# KiCad board TRX055.01.01.PB.00.00.kicad_pcb (continued)
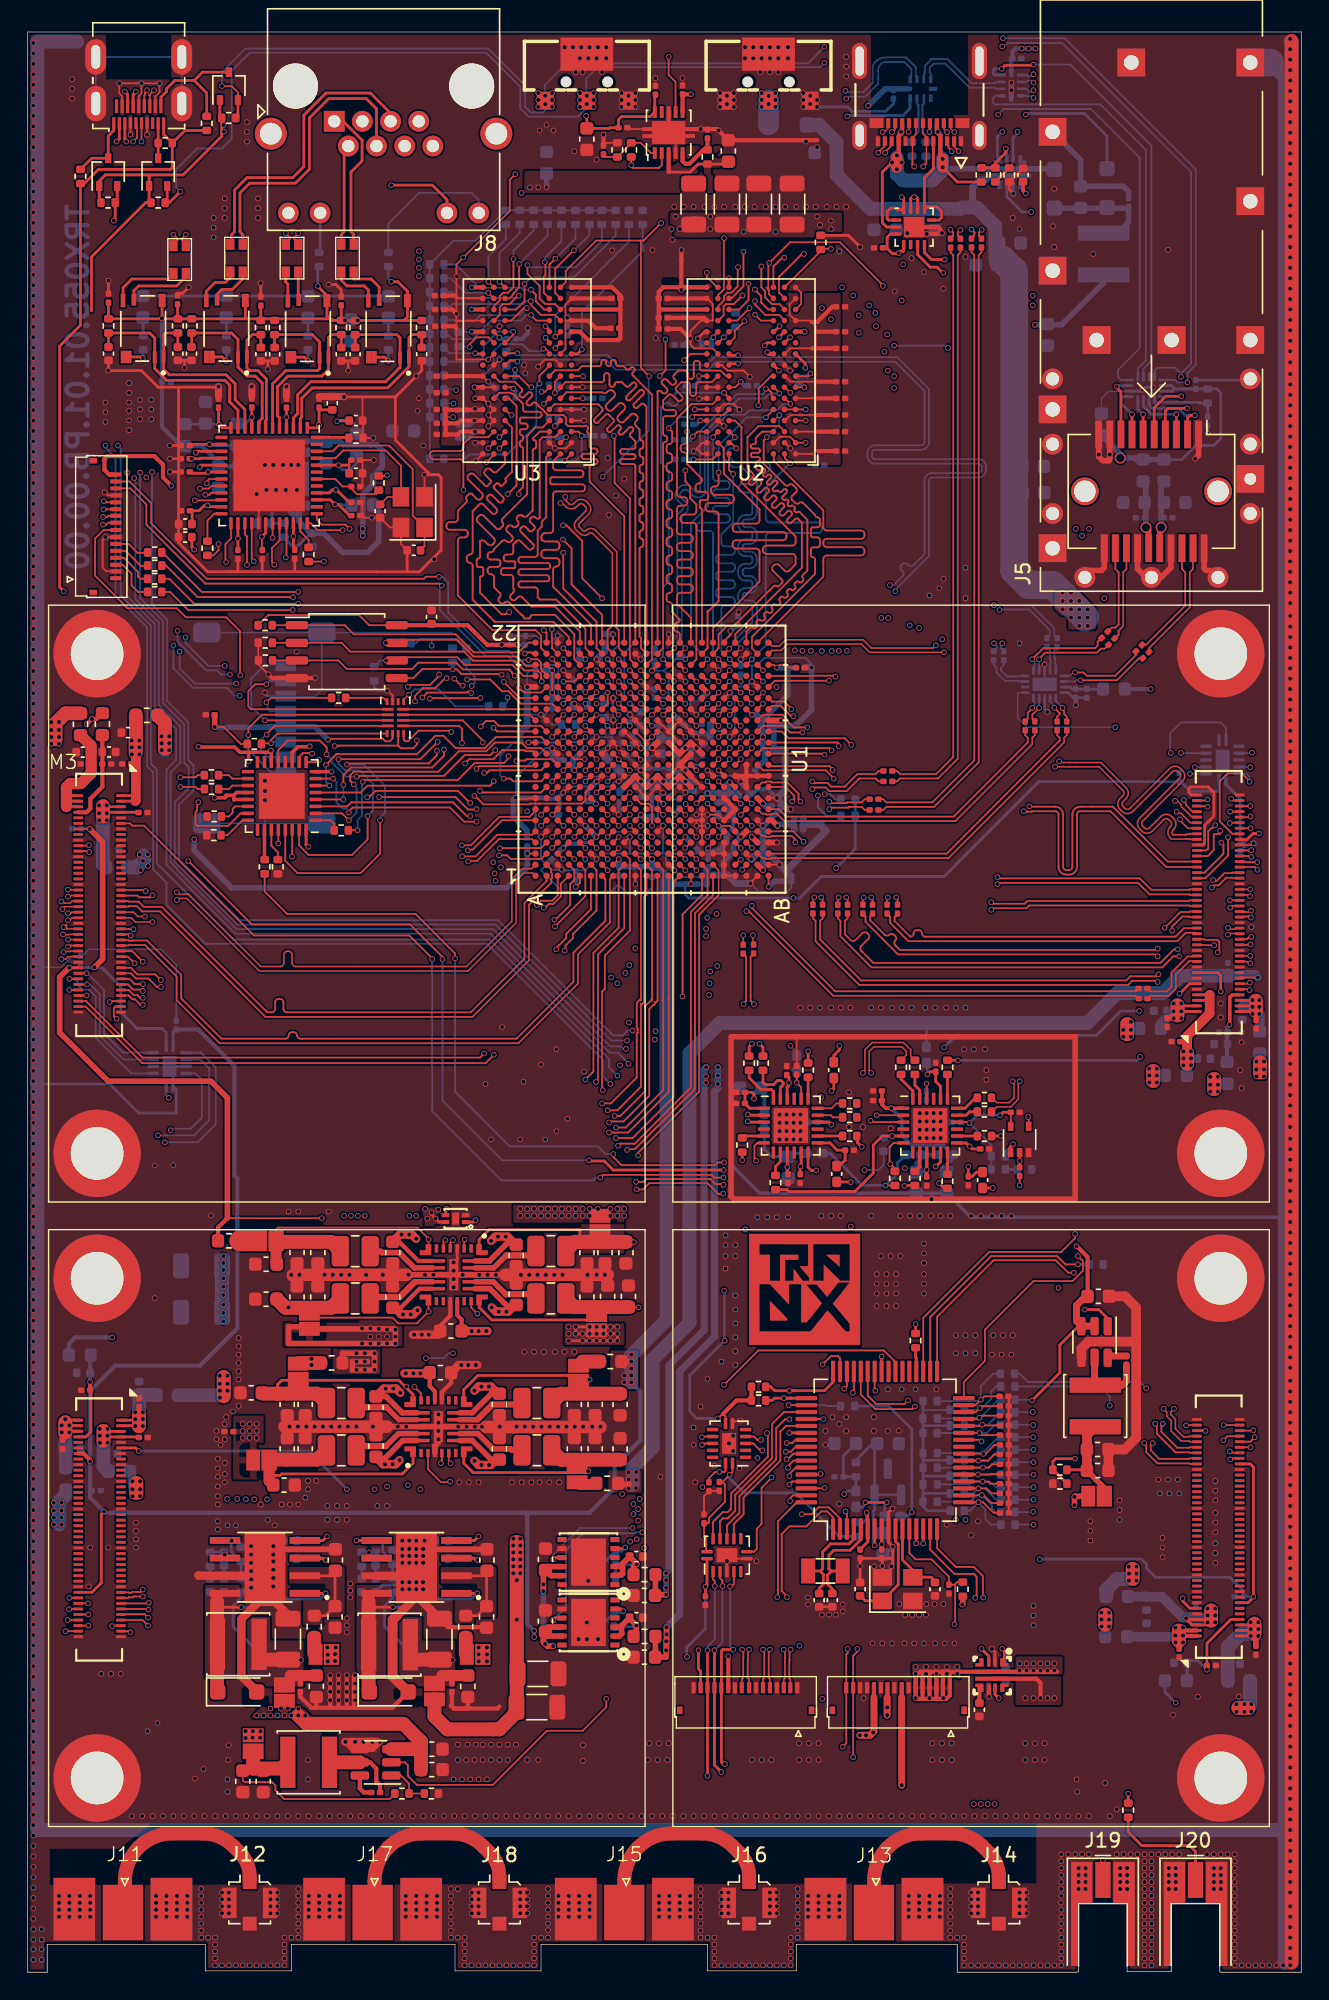
[diagram p0: board, top side]
## Nets (continued)
/ZynqPower/RAIL_6_EN: U6.2
PWR_CORE: C111.1 C155.1 C156.1 C157.1 C158.1 C159.1 C160.1 C161.1 C162.1 C163.1 C391.1 C395.1 JP12.2 R127.1 U4.9 U4.13 U4.18 U4.22 U4.26 U6.9 U6.13 U6.18 U6.22 U6.26
SR_A0: C1.1 C2.1 C10.1 JP1.1 L1.2 R117.1 U4.8
SR_A1: C3.1 C4.1 C9.1 JP2.1 L2.2 R111.1 U4.14
SR_A2: C5.1 C6.1 C11.1 JP3.1 L3.2 R123.1 U4.1
SR_A3: C7.1 C8.1 C12.1 JP4.1 L4.2 R125.1 U4.21
SR_B0: C13.1 C17.1 C21.1 JP5.1 L5.2 R119.1 U6.8
SR_B1: C14.1 C18.1 C22.1 JP6.1 L6.2 R121.1 U6.14
SR_B2: C15.1 C19.1 C23.1 JP7.1 L7.2 R115.1 U6.1
SR_B3: C16.1 C20.1 C24.1 JP8.1 L8.2 R113.1 U6.21
SR_C0: C284.1 C285.1 L16.2 R131.1 U30.2 U30.3
VREF_DDR: C147.1 C327.1 C328.1 C329.1 C330.1 U2.H1 U2.M8 U3.H1 U3.M8 U15.6
Net-(C134-Pad1): C134.1 R59.2
Net-(C138-Pad1): C138.1 R62.2
Net-(C142-Pad1): C142.1 R65.2
Net-(C146-Pad1): C146.1 R68.2
Net-(C176-Pad1): C176.1 C177.1 FB17.2 R86.2
Net-(C237-Pad2): C237.2 C241.1
Net-(C240-Pad1): C240.1 FB38.1 R7.1 R162.1 U5.2 U5.3
Net-(C243-Pad1): C243.1 R4.2
Net-(C252-Pad1): C252.1 R92.2
Net-(C254-Pad2): C254.2 C255.1
Net-(C382-Pad1): C382.1 R141.2
Net-(C382-Pad2): C382.2 R164.1 R165.2 U28.2
Net-(D2-A): D2.2 D5.2 J21.2
Net-(J5-VccR): C227.1 C228.1 FB34.1 J5.15
Net-(J5-VccT): C229.1 C230.1 FB35.1 J5.16
Net-(J6-CLK): J6.5 R144.1
Net-(J6-CMD): J6.3 R154.1 U10.13
Net-(J6-DAT0): J6.7 U10.9
Net-(J6-DAT1): J6.8 U10.11
Net-(J6-DAT2): J6.1 U10.10
Net-(J6-DAT3/CD): J6.2 U10.12
Net-(J7-HPD/HEAC-): J7.1 Q3.3 R105.2
Net-(J7-SCL): J7.17 Q1.3 R101.2
Net-(J7-SDA): J7.18 Q2.3 R102.2
Net-(J8-Pad10): J8.10 R161.2
Net-(J8-Pad12): J8.12 R160.2
Net-(J10-Pin_3): J10.3 R18.2
Net-(J10-Pin_4): J10.4 R19.2
Net-(J10-Pin_5): J10.5 R20.2
Net-(J10-Pin_6): J10.6 R21.2
Net-(J11-In): J11.1 J12.1
Net-(J13-In): J13.1 J14.1
Net-(J15-In): J15.1 J16.1
Net-(J17-In): J17.1 J18.1
Net-(J19-In): J19.1 R85.2
Net-(J20-In): J20.1 R141.1
Net-(JP13-A): C282.1 C283.1 JP13.1 L15.2 R137.1
Net-(JP14-A): C313.1 C314.1 JP14.1 L18.2 R139.1
Net-(L9-Pad1): L9.1 T1.7
Net-(L9-Pad4): L9.4 T1.6
Net-(L10-Pad1): L10.1 T2.7
Net-(L10-Pad4): L10.4 T2.6
Net-(L11-Pad1): L11.1 T3.7
Net-(L11-Pad4): L11.4 T3.6
Net-(L12-Pad1): L12.1 T4.7
Net-(L12-Pad4): L12.4 T4.6
Net-(R100-Pad1): R99.2 R100.1
Net-(R163-Pad1): R163.1 U28.4
Net-(U1C-PS_DDR_VRN_502): R53.1 U1.M16
Net-(U1C-PS_DDR_VRP_502): R52.2 U1.N16
Net-(U1I-INIT_B_0): R156.1 U1.T8
Net-(U1I-PROGRAM_B_0): R155.1 U1.V10
Net-(U1J-MGTRREF_112): R152.1 U1.U7
Net-(U2-ZQ): R50.2 U2.L8
Net-(U3-ZQ): R51.2 U3.L8
Net-(U5-FB/ADJ): R7.2 R8.1 R162.2 U5.5
Net-(U7-BOOT): C253.1 U7.1
Net-(U7-COMP): C254.1 R92.1 U7.6
Net-(U7-SS): C251.1 U7.4
Net-(U8-FB/ADJ): R5.2 R6.1 U8.5
Net-(U10-CLKA): R145.1 U10.5
Net-(U10-CLKB): R144.2 U10.8
Net-(U11-GTX_CLK): R57.2 U11.24
Net-(U11-ISET): R54.2 U11.48
Net-(U11-RESET_N): C110.1 R12.2 U11.42
Net-(U11-RX_CLK/PHYAD2): R56.2 U11.35
Net-(U11-XI): C108.1 U11.46 Y1.1
Net-(U11-XO): C109.1 U11.45 Y1.3
Net-(U12-CLKOUT): R26.1 U12.1
Net-(U12-DM): R28.2 U12.19
Net-(U12-DP): R27.2 U12.18
Net-(U12-RBIAS): R29.2 U12.24
Net-(U12-VBUS): R88.2 U12.22
Net-(U13-DIFF1): R80.1 U13.18
Net-(U13-DIFF1B): R81.1 U13.17
Net-(U13-DIFF2): R78.1 U13.24
Net-(U13-DIFF2B): R79.1 U13.23
Net-(U13-REF): R85.1 U13.8
Net-(U13-SE1): R84.1 U13.14
Net-(U13-SE2): R83.1 U13.12
Net-(U13-SE3): R82.1 U13.19
Net-(U13-VDD33): C169.1 C170.1 FB14.2 FB15.1 U13.9
Net-(U13-VDDA): C171.1 C172.1 C173.1 FB15.2 U13.1
Net-(U15-REFIN): C151.1 R71.2 R72.1 U15.1
Net-(U15-VOSNS): C152.1 R73.1 U15.5
Net-(U16-CLKINB/X1): R90.1 U16.5
Net-(U16-DIFF1): R24.1 U16.18
Net-(U16-DIFF1B): R25.1 U16.17
Net-(U16-DIFF2): R22.1 U16.24
Net-(U16-DIFF2B): R23.1 U16.23
Net-(U16-REF): R77.1 U16.8
Net-(U16-SE1): R76.1 U16.14
Net-(U16-SE2): R75.1 U16.12
Net-(U16-SE3): R74.1 U16.19
Net-(U16-VDD33): C164.1 C166.1 FB12.1 FB13.2 U16.9
Net-(U16-VDDA): C165.1 C167.1 C168.1 FB12.2 U16.1
Net-(U17-PA8): R87.1 U17.36
Net-(U17-PC14): C183.1 U17.4 Y3.1
Net-(U17-PC15): C182.1 U17.5 Y3.2
Net-(U17-PF0): C180.1 U17.10 Y2.1
Net-(U17-PF1): C181.1 U17.11 Y2.3
Net-(U17-VBAT): C179.1 R143.2 U17.6
Net-(U17-VDD): C174.1 C175.1 FB16.2 FB17.1 U17.8
Net-(U20-D+): R17.2 U20.8
Net-(U20-D_): R14.2 U20.7
Net-(U21-BST): C312.1 U21.6
Net-(U21-FB): R139.2 R140.1 U21.1
Net-(U21-SW): C312.2 L18.1 U21.5
Net-(U22-RESET#): C274.1 R95.2 U22.1
Net-(U26-VDD): C271.1 C272.1 FB40.1 U26.17
Net-(U27-DVDT): C279.1 U27.7
Net-(U29-DVDT): C280.1 U29.7
Net-(U30-BST): C281.1 U30.6
Net-(U30-FB): R137.2 R138.1 U30.1
Net-(U30-SW): C281.2 L15.1 U30.5
Net-(U31-FB/ADJ): R107.2 R108.1 U31.5
Net-(U34-BOOT): C235.1 U34.1
Net-(U34-COMP): C237.1 R4.1 U34.6
Net-(U34-SS): C242.1 U34.4

Pads without a net: J7 2 15; J8 SH; J9 A8 B8; J10 1 MP; J23 MP; J24 MP; M1 16; M2 16; M3 16; M4 16; U1 A9 A10 B8 B16 B17 C8 C19 D8 D16 E7 E8 E12 E17 F7 F11 G14 G17 H8 J5 J8 K7 L6 L7 L12 M3 M4 M6 M7 M11 N8 N11 N12 P5 P8 R8 R17 T10 T11 T14 T15 T17 U11 U13 U14 U17 U18 V7 V13 V18 W3 W18 Y14 Y15 Y18 Y19; U2 J1 J9 L1 L9 M7; U3 J1 J9 L1 L9 M7; U4 16 19; U5 1 4 6 7 12; U6 16 19; U8 1 4 6 7 12; U10 6; U11 13 38 41 43 47; U12 12 15 16 17 25; U13 4 7 10 15 21; U15 9; U16 4 7 10 15 21; U17 37 38 40 57; U19 6 9 11; U22 11 16; U23 6 9 11; U25 5; U27 4 10; U29 4 10; U31 1 4 6 7 12; U32 6 9; U33 2 3 6 9 12 13

## Via types
v1: diameter 0.4, hole 0.3, Top to Bottom, 3369 vias
v2: diameter 0.8, hole 0.6, Top to Bottom, 3 vias

## Routing (per net, layer and track width the routed paths; a pad name or vN(x,y) marks a point on that pad's centre or on a via; arc(x,y) is an arc through that point)
+1V2: length 5.9
  Top w0.4: 42.81,24.97 C244.1 43.39,25.48 v1(43.87,25) 43.87,24.4 FB37.1 ; 42.81,24.97 42.69,24.85 42.27,24.85 ; 42.81,24.97 42.81,24.41 42.82,24.4 42.62,24.2 42.27,24.2
  Bottom w0.2: v1(43.87,25) 43.77,24.9 R5.1
+1V8: length 443.3
  Top w0.127: U1.K14 U1.L13 v1(45,89) U1.M14 ; 26.7,88.38 22.42,88.38 22.39,88.35 v1(22.12,88.35) ; 26.7,88.38 26.89,88.19 27.79,88.19 28.05,88.45 v1(28.05,88.75) ; 26.7,88.38 U10.15 ; R12.1 25.86,107.81 v1(25.9,107.85) ; U1.P14 v1(47.4,89) ; U12.30 19.06,81.09 19.06,81.09 v1(19.06,80.38) ; U1.A13 v1(36.1,88.6) ; v1(34.3,86) 34.8,86 34.99,85.81 37.01,85.81 U1.B10 ; U1.C17 v1(37.8,92.2) v1(37.8,93.8) U1.B20 ; R151.2 17.34,97.79 23.88,97.79 24.61,97.06 U14.8 ; v1(49.75,39.9) 50,40.15 50.2,40.15 50.3,40.05 U33.8 ; C293.1 49.1,35.6 49.55,36.05 50.2,36.05 50.3,36.15 U33.14 ; U1.D14 v1(38.6,89) ; U12.28 v1(18.06,81.33) ; U1.E11 v1(39.4,86.6)
  Top w0.2: v1(42.5,46.5) v1(39.5,46.5) v1(39.5,46) v1(42.5,46) v1(42.5,45.5) v1(39,45.5) ; U1.R11 v1(48.2,86.6) ; v1(12,102.5) 12,102.51 11.83,102.68 C127.1 ; FB43.2 59.31,56.94 59.32,56.94 ; v1(11.83,109.05) 12.4,109.05 12.44,109.09 U11.16 ; 20.15,81.16 20.06,81.25 U12.32 ; U11.34 v1(19.15,103.45) 19.15,102.75 19.25,102.65 ; 50.2,45.5 50.21,45.49 ; U24.1 32.16,54.05 ; 23.17,105.9 22.27,106.8 v1(22.2,106.8) 21.95,106.8 21.74,106.59 U11.40
  Top w0.25: v1(15.92,87.27) 15.92,87.88 15.94,87.9 ; v1(12.3,88.3) 12.33,88.28 14.91,88.28 15.29,87.9 17.4,87.9 v1(17.53,88.03) 17.56,87.99 U12.14 ; U12.8 21.72,86.5 ; U12.11 19.06,87.89 19.47,88.3 20.28,88.3
  Top w0.3: 50.13,40.24 51.09,41.2 R157.1 R158.1 ; 10.35,107.11 10.34,107.11 9.75,107.7 9.75,108.62 9.13,109.24 5.73,109.24 5.53,109.04 5.53,108.24 5.86,107.91 J10.16 ; 35.35,95.64 33.12,95.64 31.7,97.06 26.65,97.06
  Top w0.4: U8.11 37.47,24.22 37.17,24.53 37.52,24.88 U8.10 ; 38.51,29.22 37.47,29.22 37.27,29.03 37.72,28.57 U5.11 ; v1(37.17,27.45) 37.17,28.82 C248.1 ; C247.1 37.17,24.38 37.17,23.78 37.45,23.5 v1(37.88,23.5)
  In2.Cu w0.127: v1(40.2,88.2) 40.6,88.6 40.6,90.96 40.79,91.15 40.79,91.19 v1(41,91.4)
  In2.Cu w0.2: v1(59.33,56.93) 59.37,56.97 61.48,56.97 62.44,57.93 v1(63.23,57.93)
  In2.Cu w0.3: v1(37.8,93.8) 35.95,95.65 v1(35.32,95.65)
  In2.Cu w0.4: 37.17,23.83 37.5,23.5 v1(37.88,23.5) ; v1(37.17,27.95) v1(37.17,27.45)
  In2.Cu w0.7: v1(22.8,54.5) v1(28,54.5)
  In3.Cu w0.2: v1(50.24,45.51) 50.23,45.5 v1(42.5,45.5)
  In3.Cu w0.3: v1(59.33,53.73) 54.83,53.73 v1(50.2,49.1)
  In3.Cu w0.4: v1(37.17,27.45) 37.17,29.87 42.5,35.2 v1(42.5,45.5)
  In4.Cu w0.127: 44.2,89 44.04,89.16 41.78,89.16 41.58,89.36 41.16,89.36 41.15,89.36 40.85,89.36 40.84,89.36 40.36,89.36 40.35,89.36 40.05,89.36 40.04,89.36 39.56,89.36 39.55,89.36 39.25,89.36 39.24,89.36 38.76,89.36 38.75,89.36 38.45,89.36 38.44,89.36 37.96,89.36 37.95,89.36 37.65,89.36 37.64,89.36 37.25,89.36 36.88,88.99 34.33,88.99 34.02,89.3 32.2,89.3 31.77,89.73 29.01,89.73 27.88,88.6 27.88,77.01 ; 40.5,91.76 38.24,91.76 v1(37.8,92.2) ; 40.5,91.76 40.64,91.76 v1(41,91.4) ; 40.5,91.76 40.61,91.76 ; 49.75,39.85 50.15,39.45 50.15,36.35 v1(49.85,36.05) ; v1(12.3,88.3) 12.3,102.2 12.2,102.3 ; v1(22.2,106.8) 22.2,107.28 22.78,107.85 v1(25.9,107.85) ; v1(18.06,81.33) 18.06,80.8 18.47,80.39 19.05,80.39 v1(19.06,80.38)
  In4.Cu w0.18: 48.6,87 49.44,87
  In4.Cu w0.2: v1(39,46.5) 39,52.5 38.1,53.4 28.8,53.4 27.5,54.7 27.5,57 ; v1(47.4,89) 47.8,89.4 48.45,89.4 48.65,89.2 48.65,87.05 v1(48.2,86.6) 48.6,87 ; v1(42.5,46.5) 42.5,53 41.5,54 30,54 ; v1(59.33,53.73) v1(59.33,56.93) ; 63.19,57.97 63.19,66.01 59.75,69.45 59.75,78.07 v1(58.27,79.55) ; v1(20.23,81.09) 19.03,81.09 19.03,81.08 ; 39.5,86.7 v1(39.4,86.6)
  In4.Cu w0.25: v1(17.53,88.03) 18.88,88.03 19.03,88.17 ; 19.03,86.45 19.08,86.5 v1(21.9,86.5) ; v1(22.12,88.35) 20.35,88.35 20.33,88.38 v1(20.33,88.33) 19.58,88.33 19.38,88.53
  In4.Cu w0.3: v1(11.83,109.05) 11.44,109.05 ; 11.1,107.08 11.08,107.1 v1(10.34,107.1)
  In4.Cu w0.5: 11.44,109.05 11.1,108.71 11.1,103.4 12.2,102.3 17.58,102.3 18.73,103.45 v1(19.15,103.45) 21.45,103.45 22.9,104.9 22.9,106.55 22.65,106.8 v1(22.2,106.8) ; 41.7,88.88 46.47,88.88 46.6,89 v1(47.4,89)
  In4.Cu w0.7: v1(24.3,54.5) 23,54.5 22.4,55.1 22.4,75.7 19.03,79.08 19.03,88.17 20.8,89.95 25.1,89.95 26.6,91.45 26.6,93.35 28.89,95.64 v1(34.17,95.64)
  In4.Cu w1: 27.5,77.31 27.5,57
  Bottom w0.1: FB6.1 42.08,86.15 39.85,86.15 v1(39.4,86.6)
  Bottom w0.127: 29.12,96.05 28.28,96.05 27.99,95.76 R146.2 ; 29.12,96.05 30.98,96.05 R153.2 ; 29.12,96.05 29.12,95.52 29.13,95.51 ; R69.1 41.59,91.4 v1(41,91.4) ; v1(40.2,88.2) 39.76,88.64 38.96,88.64 v1(38.6,89) 38.2,88.6 v1(36.1,88.6) 35,88.6 34.06,87.66 34.06,86.24 v1(34.3,86)
  Bottom w0.2: R155.2 R156.2 59.64,80.92 v1(58.27,79.55) ; v1(49.75,39.9) 48.23,39.9 47.72,40.41 47.72,43.01 50.22,45.51 50.22,49.07
  Bottom w0.3: v1(34.17,95.64) 34.18,95.65 v1(35.32,95.65) 35.87,95.65 C59.1
  Bottom w0.4: v1(37.17,27.95) 37.17,23.78 ; 37.17,23.78 37.45,23.5 v1(37.88,23.5) ; 37.17,23.78 v1(37.3,23.65) ; v1(40.2,88.2) 39.32,87.32 C58.1 39.3,86.7 v1(39.4,86.6) ; C26.1 37.8,93.8 v1(37.8,93.8) 37.78,93.82 C27.1
  vias: v1(23.3,54.5) v1(23.8,54.5) v1(27.5,54.5) v1(29.12,95.58) v1(32.28,54.19) v1(39,46) v1(40,46) v1(40,45.5) v1(40.5,46.5) v1(40.5,46) v1(40.5,45.5) v1(41,46.5) v1(41,46) v1(41,45.5) v1(41.5,46.5) v1(41.5,46) v1(41.5,45.5) v1(42,46.5) v1(42,46) v1(42,45.5)
+3V3: length 403.4
  Top w0.127: U12.23 15.35,83.5 14.45,82.6 12.2,82.6 12.1,82.7 12.1,83.6 12.2,83.7 12.2,84.2 v1(12.3,84.3) ; R154.2 15.35,88.5 14.12,89.72 v1(13.47,89.72) ; U10.14 26.3,88.9 26.09,88.69 25.79,88.69 25.61,88.87 21.64,88.87
  Top w0.2: R106.1 5.15,127.63 Q3.1 5.15,129.05 5.6,129.5 8.8,129.5 ; C278.2 45.2,135.23 U15.10 44.88,133.7 42.8,133.7 42.58,133.48 C153.1 41.97,132.9 41.92,132.85 C154.1 40.3,133.7 v1(40.25,133.75) ; U25.4 63.14,124.01 62.91,124.01 62.74,123.84 62.31,123.84 61.95,124.2 61.95,125 62.19,125.24 U25.3 ; Q2.1 13.85,133.73 R104.1 13.98,132.28 11.2,129.5 8.8,129.5 ; 8.8,129.5 8.75,129.45 Q1.1 8.75,127.64 R103.1 8.5,127.5 4.6,123.6 4.6,119.7 ; FB42.2 58.1,66.05 58.5,66.45 v1(58.5,66.75)
  Top w0.25: v1(13.47,84.62) 14.22,84.62 14.4,84.8 ; U12.20 15.05,85 14.85,84.8 ; U12.21 14.88,84.5 14.85,84.47 14.85,84.8 ; 14.85,84.8 14.4,84.8 ; 14.4,84.8 14.25,84.8
  Top w0.4: v1(13.47,89.72) 13.47,90.58
  In2.Cu w0.2: v1(66.05,66.64) 65.89,66.8 58.55,66.8 v1(58.5,66.75)
  In2.Cu w0.4: v1(71.65,138.6) 75.2,138.6 79.75,134.05 79.75,113.55 78.75,112.55 v2(78.75,109.1) 79.2,108.65 79.2,95.65 80.95,93.9 v1(80.95,92.45)
  In4.Cu w0.2: 62.77,123.86 62.15,124.48 62.15,127 58.45,130.7 58.45,134.3
  In4.Cu w0.3: v1(80.95,92.45) 80.95,74.6 80.57,74.22 80.57,69.72 80.11,69.26
  In4.Cu w0.4: 72.55,138.6 v1(71.65,138.6) 71.65,137.85 69.7,135.9 69.05,135.9 67.45,134.3 58.22,134.3 57.67,133.75 35.75,133.75 35.5,134 32.98,134 32.75,133.77
  In4.Cu w0.8: 31.8,133.5 32.07,133.77 32.75,133.77 ; 31.8,133.5 31.8,130.3 ; 31.8,133.5 30.78,133.5 26.15,138.13 18.34,138.13 14.46,134.25 14.46,132.61
  In4.Cu w1: 16.12,38.62 16.12,65.97 13.9,68.2 13.9,78 12.8,79.1 12.8,84.2 13.2,84.6 13.2,95.4 18.22,100.42 21.32,100.42 24,103.1 24,105.2 25.2,106.4 26.4,106.4 27.1,107.1 27.1,127.4 29.1,129.4 30.9,129.4 31.8,130.3
  Bottom w0.2: 66.04,66.62 66.92,67.5 77.02,67.5 78.78,69.26 v1(80.12,69.26) ; U22.15 82.49,113.92 82.6,114.03 ; U22.14 82.44,114.32 ; 18.8,110.3 18.4,110.3 18.25,110.15 U31.9 ; 18.8,110.3 19.4,110.3 ; 18.8,110.3 18.9,110.2 U31.10 ; 19.4,110.3 19.55,110.15 ; 19.4,110.3 19.55,110.15 U31.11 ; 82.6,114.03 82.66,114.08 85.7,114.08 86,113.78 86,110.5 85.5,110 84.2,110 83.19,108.99 FB35.2 ; 82.6,114.03 82.6,114.17 82.46,114.32 82.33,114.32
  Bottom w0.3: v1(72.65,138.6) 71.2,138.6 70.98,138.38 C226.1 70.9,137.82 U9.10 ; v1(80.95,92.45) FB40.2
  Bottom w0.4: 15.2,106.92 15.61,106.92 16.15,107.47 16.15,110.1 16.35,110.3 18.65,110.3 ; v1(60.58,134.48) 61.8,135.7 U20.10 ; 17.32,89.7 13.5,89.7 v1(13.47,89.72) ; C231.1 78.75,109.4 v2(78.75,109.1) 79.8,109.1 79.91,108.99 FB34.2 FB35.2 ; 17.37,89.75 J6.4 20.7,89.75 v1(21.65,88.8) ; 18.65,110.3 18.4,110.3 ; 18.65,110.3 22.5,110.3 22.75,110.05 24.69,110.05 24.69,110.05 25.11,110.05 25.11,110.05 25.17,110.05 25.55,109.67 25.55,108.45 24.89,107.79 24.89,107.2 24.15,106.46 24.15,103.45
  vias: v1(14.12,133.09) v1(14.15,132.62) v1(15.5,39.5) v1(15.5,39) v1(15.5,38.5) v1(16,39.5) v1(16,39) v1(16,38.5) v1(16.5,39.5) v1(16.5,39) v1(16.5,38.5) v1(24.15,104) v1(24.15,103.5) v1(62.78,123.87) v1(72.15,138.6)
/Clocking/VDD_13F: length 3.6
  Top w0.2: U13.20 65.8,63.83 65.45,64.18 C319.1 65.05,64.89 v1(64.85,64.69)
  Bottom w0.2: 64.86,64.7 v1(64.85,64.69) 64.85,65.45 FB44.1
/Clocking/VDD_18F: length 3.7
  Top w0.2: FB43.1 58.5,58.09 58.9,58.49 58.92,58.47 C318.1 58.35,59.23 57.83,59.75 U16.13
/Clocking/VDD_34F: length 23.7
  Top w0.127: v1(55.43,64.09) 55.75,63.77 U16.20 ; 55.43,63.98 C317.1
  Top w0.2: U13.13 67.64,59.75 68.07,59.32 68.66,59.32
  In2.Cu w0.2: v1(55.43,64.09) 56.58,65.24 67.28,65.24 68.74,63.78 68.74,60.9 67.89,60.05 v1(67.89,59.5)
  Bottom w0.127: FB41.1 v1(55.43,64.09)
/Clocking/VDD_35F: length 5.4
  Top w0.2: 65.46,58.05 65.8,58.39 U13.11 ; FB45.1 68.4,57.65 68.09,57.34 C321.1 v1(67.8,58.04)
  In4.Cu w0.2: v1(65.44,58.05) 67.83,58.05
/Clocking/VDD_DIFF: length 41.8
  Top w0.127: 67.88,61.13 67.76,61.25 U13.16 ; U28.5 70.87,60.97 C383.2 70.85,61.94 ; U13.22 64.8,64.07
  Top w0.2: v1(57.93,61.07) 57.75,61.25 U16.16 ; v1(70.08,61.74) 70.3,61.96 C383.2 ; U16.22 54.74,62.95 54.74,63.78 54.84,63.88 54.84,64.05 v1(54.88,64.09) 54.88,64.48 C315.1 ; U16.11 55.75,57.99 55.68,57.92 55.68,57.5 ; FB42.1 58.1,63.66 57.94,63.5 v1(57.93,63.5)
  In2.Cu w0.3: v1(54.88,64.09) 54.88,63.97 55.3,63.54 56.63,63.54 57.11,64.02 58.06,64.02 ; v1(57.93,61.07) 57.93,63.89 58.06,64.02 ; 58.06,64.02 65.11,64.02 ; 65.11,64.02 v1(64.79,64.02) ; 65.11,64.02 66.76,64.02 67.88,62.9 v1(67.88,61.19)
  In4.Cu w0.2: v1(57.93,61.07) 57.88,61.12 57.88,59.48 56.46,58.06 v1(55.7,58.06)
  Bottom w0.127: C309.1 v1(64.79,64.02) ; 67.77,61.25 67.89,61.13 ; C308.1 67.84,61.23 v1(67.88,61.19) 69.46,59.61 R166.1 69.46,57.86 R165.1
  Bottom w0.2: v1(70.08,61.74) 68.43,61.74 v1(67.88,61.19) ; C316.1 57.74,61.25 57.93,61.06
/Main_Power/TPS5430DD_DCDC1/VIN: length 1.3
  Top w0.2: 31.58,22.97 31.7,22.85
  Top w1: FB39.1 31.58,22.97
/Main_Power/TPS5430DD_DCDC/VIN: length 1.3
  Top w0.2: 20.65,22.97 20.78,22.85
  Top w1: FB36.1 20.65,22.97
/ZynqPower/1V5_RAIL_A: length 2.1
  Top w0.3: 19.55,43.9 JP8.2
  Top w1: FB7.1 19.55,43.9
  In4.Cu w0.4: v1(20.45,43.75) v1(20.45,44.2)
/ZynqPower/VCCADC: length 2.8
  Top w0.127: U1.K12 44.19,87.41
  Bottom w0.1: 45.63,87.66 44.95,87.66 44.7,87.42 44.69,87.42 44.25,87.42 v1(44.19,87.36) 44.19,87.41 43.88,87.72 C184.1
/ZynqPower/VCCAUX: length 61.4
  Top w0.2: U24.4 29.65,54.05 29,54.7
  Top w0.4: U1.T12 v1(48.2,88.2) U1.R13 v1(47.4,88.2) U1.P12 U1.N13
  In4.Cu w0.2: v1(47.4,88.2) U1.P12 35.03,87.8 34.82,88.01 34.23,88.01 33.72,87.5 29.55,87.5 28.6,86.55 28.6,55.25 v1(29.1,54.75)
  In4.Cu w0.4: v1(48.2,88.2) v1(47.4,88.2)
  Bottom w0.1: 46.78,87.66 46.86,87.66
  Bottom w0.2: v1(47.4,88.2) 47.18,88.2 FB11.1 46.9,87.68 C38.1 ; 48.6,87.53 48.2,87.92 v1(48.2,88.2) 48.45,88.2 C39.1
  Bottom w0.4: v1(48.2,88.2) 47.31,88.2
  vias: v1(28.65,55) v1(28.8,54.3) v1(29.4,54.3) v1(29.6,54.95)
/ZynqPower/VCCO_RAIL_A: length 1.4
  Top w0.4: 39.75,35.15 JP5.2
  Top w0.8: 40.98,35.15 39.75,35.15
/ZynqPower/VCCO_RAIL_B: length 1.6
  Top w0.4: 40,44 JP6.2
  Top w1: FB8.1 40,44
/ZynqPower/VCCO_RAIL_C: length 0.8
  Top w1.5: FB10.1 16.1,52.7
/ZynqPower/VCCPLL: length 2.2
  Top w0.2: U1.G13 v1(41.01,88.21)
  Bottom w0.2: FB6.2 41.02,88.21 v1(41.01,88.21) 41.01,88.23 41.38,88.6
AVDDH: length 15.1
  Top w0.2: U11.12 14.03,111.28 13.75,111.55 13.75,112.57 ; C124.1 21,112.57 21,111.4 20.88,111.28 U11.1
  In4.Cu w0.5: v1(21,111.5) 20.5,111 14.3,111 v1(13.8,111.5)
  Bottom w0.2: FB3.1 13.76,111.54 v1(13.8,111.5)
AVDDL: length 13.4
  Top w0.2: U11.4 18.65,112.57 ; C114.1 22.35,111.8 v1(22.3,111.75) ; U11.9 16.15,112.59
  In4.Cu w0.5: v1(22.3,111.75) 22.3,111.9 21.9,112.3 20.4,112.3 20.1,112 18.7,112 ; 18.6,112 16.2,112 v1(16.15,112.05)
  Bottom w0.2: v1(16.15,112.05) 15.67,111.58 FB1.1 ; v1(22.3,111.75) 23.35,111.75 23.7,111.4 FB5.2
  vias: v1(18.65,112.05)
AVDDL_PLL: length 5.8
  Top w0.127: 23.17,108.95 C113.1
  Top w0.2: 23.17,108.6 23.16,108.59 v1(22.4,108.59) U11.44
  Bottom w0.2: 23.47,109.5 FB5.1 23.7,108.75 23.2,108.25 22.7,108.25 22.4,108.55 v1(22.4,108.59)
DVDDL: length 34.7
  Top w0.127: 16.95,102.63 16.88,102.7 v1(16.88,103.42) 16.95,103.5
  Top w0.2: C117.1 11.85,104.37 11.85,105.3 12.35,105.3 12.74,105.69 v1(12.95,105.69) 13.05,105.59 U11.23 ; U11.18 v1(13,108.09) 12.91,108 11.93,108 11.83,108.1 ; v1(16.88,103.42) 17.15,103.7 U11.30 ; U11.26 15.15,102.63 ; U11.14 v1(13.1,110.09) 11.92,110.09 11.83,110 ; C123.1 23.2,104.95 22.4,105.75 v1(22.15,105.75) 21.81,106.09 U11.39
  In4.Cu w0.5: 12.96,105.7 13.7,105.7 ; 13.75,105.8 13.75,107.3 13.01,108.04 13.01,108.1 v1(13,108.09) 13,109.99 v1(13.1,110.09) ; 13.75,105.8 13.75,104.25 14.7,103.3 16.75,103.3 18,104.55 21.35,104.55 22.15,105.35 v1(22.15,105.75) ; 13.75,105.8 13.75,105.75
  Bottom w0.2: FB1.2 13.19,110 v1(13.1,110.09) ; FB2.1 22.65,105.7 22.6,105.75 v1(22.15,105.75)
  vias: v1(15.15,103.3)
GND: length 1624.6
  Top w0.1: v1(88.37,81.34) 88.25,81.22 M1.62 ; U2.J2 v1(54.95,115.4)
  Top w0.127: R72.2 41.53,131.81 41.5,131.78 ; U1.M12 45.4,87.82 v1(45.01,88.21) ; U1.E6 v1(40.2,82.6) ; U1.L14 U1.K15 v1(43.4,90.6) ; U1.T6 48.2,83 ; U1.T6 48.6,83.42 ; U1.T6 U1.T5 U1.T4 ; 48.2,83 v1(48.2,82.6) v1(49,82.6) ; 48.2,83 U1.R6 ; U1.U20 v1(49.8,93.8) ; U1.AA18 v1(52.2,93) ; U3.E2 v1(40.1,112.6) ; J10.7 v1(5.6,103.41) 5.4,103.21 5.4,101.2 5.66,100.94 J10.2 ; 55.38,114.2 55.88,114.2 ; U1.J4 v1(43.4,81.8) ; U1.C12 v1(37.8,88.2) ; U1.L11 v1(44.2,86.6) U1.L10 ; v1(36.99,90.6) 37,90.6 U1.B15 ; v1(44.2,93) U1.L18 ; 48.6,83.42 U1.T7 ; 48.6,83.42 48.22,83.42 v1(48.2,83.4) ; 48.6,83.42 48.98,83.42 v1(49,83.4) 49.8,83.4 U1.V6 ; U11.49 16.65,107.09 U11.29 ; U1.K9 U1.L8 U1.M9 v1(45.8,85) ; U1.N14 U1.M15 ; U1.N14 U1.P15 U1.R14 v1(48.2,89) U1.T13 ; U1.N14 U1.P13 ; U1.P19 47.4,93 ; 54.58,112.6 v1(56.08,112.6) ; U2.J8 50.03,115.8 50.43,115.4 51.6,115.4 v1(52.05,114.95) ; U3.B3 v1(38,109.8) 38.8,109.8 U3.B1 39.2,110.19 ; U1.R16 v1(48.2,90.6) ; 51.45,39.7 50.96,39.7 U33.7 ; U1.J14 U1.K13 v1(44.2,88.2) ; U1.J10 v1(42.6,85.8) ; U1.V17 v1(50.6,92.2) ; U1.D9 v1(38.6,85) ; C114.2 24.1,111.83 ; C114.2 24.17,111.76 R54.1 v1(24.9,110.55) ; C114.2 24.13,113.47 24.1,113.5 ; J7.4 6.8,135.18 6.6,135.38 v1(6.6,136.1) v1(8.2,136.1) ; C317.2 55.43,67.37 55.46,67.4 ; J10.13 5.77,106.41 v1(5.55,106.62) ; U2.P1 55.75,120.2 55.75,121 U2.T1 ; U1.M5 v1(45.8,82.6) ; v1(8.2,136.1) v1(9.5,136.1) 9.5,135.45 9.2,135.15 J7.16 ; v1(8.2,136.1) 8.2,135.38 8,135.18 J7.10 ; U1.P9 v1(47.4,85) ; U1.Y21 v1(51.4,94.6) ; U1.Y9 v1(51.4,85.8) U1.W10 ; 53.78,110.2 54.21,110.64 54.94,110.64 55.38,110.2 v1(56.08,110.2) ; U1.D19 v1(38.6,93.8) ; v1(17.34,93.51) 16.62,94.23 R147.1 16.62,95.78 R148.1 ; U2.A9 48.59,109.4 48.22,109.78 48.64,110.2 U2.B9 ; v1(25.9,92.33) 25.97,92.33 26.3,92 U10.7 ; v1(38.2,96.3) U1.C22 ; J7.13 v1(8.6,132.4) ; U1.C2 38.49,79.51 v1(38.49,79.44) ; U3.A9 v1(32.3,108.9) ; 55.38,111.8 v1(56.08,111.8) ; 48.98,114.2 49.78,114.2 ; U3.J2 38.01,116.19 37.27,116.19 36.74,115.66 ; U1.V3 U1.V2 U1.V1 U1.W1 ; U1.V3 U1.V4 ; U1.V3 U1.U3 ; U3.J8 v1(34,116.2) ; 46.7,131.07 46.7,132.05 U15.11 ; U1.H7 v1(42.6,83.4) ; v1(33.2,111.4) U3.D8 v1(33.2,112.2) U3.E8 U3.F9 ; U1.N22 v1(46.2,96.4) ; C292.2 49.12,34.68 C293.2 48.75,34.31 C291.2 ; C108.2 26.9,102.9 Y1.4 26.1,104.1 C109.2 24.28,104.8 24.13,104.95 24.13,105.9 ; U1.G12 v1(41.8,88.2) U1.H13 v1(42.6,88.2) U1.J12 ; 48.98,113.4 48.42,113.4 v1(48.38,113.36) ; U1.A8 36.09,84.6 36,84.51 35.33,84.51 35.2,84.64 v1(35.18,84.64) ; U1.F3 v1(41,80.2) ; v1(52.1,78.45) 52.2,78.55 52.2,78.6 U1.AA1 ; U1.K1 v1(43.8,78.4) ; U1.W14 v1(50.6,89) ; 43.4,132.9 43.5,132.8 U15.11 ; U1.AB8 v1(54,84.6) ; U3.G1 40.1,114.2 ; 49.78,112.6 50.18,113 50.88,113 v1(51.3,112.58) ; 24.13,107.05 24.13,108.95 24.85,108.95 ; U32.15 50.65,29.8 U32.7 ; U1.F13 v1(41,89) ; 49.78,111.8 v1(50.18,111.4) ; v1(37,81.8) U1.B5 ; U1.E16 v1(39.4,91.4) ; U1.N10 U1.P11 ; U1.K21 v1(44.2,94.6) ; v1(40.1,111.8) U3.D1 ; U1.N2 v1(46.6,79.4) ; v1(52.14,80.2) 52.14,80.26 U1.Y3 ; J7.7 v1(7.4,132.4) ; U1.U10 49.05,86.55 ; Y1.2 v1(28.6,107.9) ; U1.G20 v1(41,94.6) ; v1(32.2,114.2) U3.G8 ; U1.AB2 v1(54.2,79.8) ; U3.B9 v1(32.25,110.2) ; U1.AA6 v1(53,82.6) ; U1.G10 v1(41,85.8) ; C82.2 v1(56.5,94)
  Top w0.2: C182.2 58,26.33 C183.2 ; v1(22.8,113.5) 26.5,113.5 ; 62.35,29.75 v1(62.35,30.66) 62.05,30.96 U17.9 62.05,33.12 v1(62.33,33.4) ; 62.35,29.75 62.35,29.35 v1(62.25,29.25) 62.25,29.1 Y2.4 ; 62.35,29.75 62.28,29.82 C175.2 ; 28.9,107.9 28.9,108 26.5,110.4 26.5,113.5 ; 28.9,107.9 v1(28.6,107.9) ; 28.9,107.9 29.6,107.9 29.8,107.7 29.8,102.46 28.24,100.9 25.2,100.9 25.19,100.91 16.87,100.91 ; v1(10.25,108.1) 10.87,108.1 ; 10.87,108.1 C117.2 10.87,103 12.97,100.91 15.13,100.91 15.15,100.93 15.15,101.67 ; 10.87,108.1 10.87,110 ; R49.2 59.16,125.15 v1(60,124.3) ; C144.2 28.4,115.4 v1(28.01,115.01) 26.5,113.5 ; 19.26,100.91 19.25,100.92 19.25,101.69 ; C140.2 23.1,116.1 ; 23.1,116.1 C143.2 ; 23.1,116.1 v1(23.1,115.4) ; C295.2 C305.2 70.72,41.47 C307.2 ; 17.3,116.1 v1(17.3,115.5) ; 17.3,116.1 C136.2 ; 17.3,116.1 C139.2 ; 10.87,114.17 10.87,110 ; 10.87,114.17 10.84,114.2 9.4,114.2 8.2,115.4 v1(5.8,115.4) ; 10.87,114.17 10.9,114.2 13.7,114.2 v1(13.75,114.25) ; 16.87,100.91 16.9,100.94 C121.2 ; 16.87,100.91 14.46,100.91 ; C279.2 70.76,128.99 R100.2 70.75,128.45 v1(71.05,128.15) ; U4.4 30.96,51.41 v1(30.7,51.15) ; v1(11.6,121.4) 11.18,120.98 10.8,120.98 ; C132.2 11.3,116.14 ; 11.3,116.14 C135.2 ; 11.3,116.14 v1(11.3,115.6) ; 5.82,121.1 v1(5.82,121.88) ; v1(21.7,121.6) 22.2,121.6 22.6,121.2 22.6,120.9 ; U29.2 69.72,23.07 v1(69.5,23.3) ; C175.2 C179.2 60,28.09 ; C175.2 61.6,29.77 61.6,28.46 ; v1(48.29,117.71) 48.78,118.2 U2.M9 ; C108.2 27.35,100.95 27.4,100.9 ; C131.2 5.82,115.38 ; M1.79 83.88,84.83 83.7,85 83.7,85.3 83.8,85.4 85.1,85.4 85.5,85 85.5,83.3 84.83,82.63 84.83,81.33 84.72,81.22 M1.61 ; 10.87,110 v1(10.25,110) ; 16.8,120.88 v1(16.8,121.7) ; 10.87,109.05 v1(10.25,109.05) ; U32.4 U32.15 ; U1.T9 U1.R10
  Top w0.3: 47.11,121.4 v1(47.11,121.2) 47.31,121.4 U2.T9 ; 47.11,121.4 45.81,121.4 45.48,121.07 C341.2 C346.2 ; 47.11,121.4 47.11,123.35 47.12,123.36 v1(47.12,124.08) ; C163.2 30.53,42.47 29.85,41.8 U6.17 ; 20.75,19.05 20.45,19.05 19.65,19.85 C236.2 ; 20.75,19.05 20.8,19.1 C239.2 ; 20.75,19.05 21.8,19.05 ; U3.T1 42.12,121.4 42.72,120.8 C343.2 42.72,119.8 ; 21.8,19.05 21.8,21.2 ; 21.8,19.05 22.4,19.05 ; U3.T9 v1(32,121.4) ; U3.G9 v1(32.2,114.2) ; C258.2 30.58,19.28 30.5,19.2 30.7,19 31.45,19 ; C249.2 33.04,24.86 30.29,24.86 C256.2 ; v1(32.25,113.4) U3.F9 ; U1.Y10 U1.AB10 ; U1.Y10 U1.Y9 ; U1.Y10 v1(51.4,85.8) ; U1.Y10 U1.Y11 ; U1.Y10 U1.W10 ; C257.2 31.72,19.03 31.7,19 ; U15.8 U15.11 ; U4.17 30.46,47.31 29.72,46.58 C160.2 ; v1(91,139.3) 91.3,139.3 91.45,139.15 ; U3.P1 42.72,119.8 ; 42.72,119.8 42.72,117.72 42.6,117.6 40.4,117.6 39.8,118.2 U3.M1 ; 31.45,19 30.75,19 ; 31.45,19 31.7,19 ; U1.V6 U1.W7 U1.V8 ; 17.35,93.49 17.59,93.25 19.34,93.25 ; 22.4,19.05 22.4,21.3 ; 22.4,19.05 23,19.05 ; 31.7,19 33.85,19 34,19.15 ; 65.65,125.3 65.59,125.24 U25.8 64.39,125.24 U25.15 U25.9 65.61,125.74 65.8,125.55 ; U3.M9 v1(32,118.2) ; C234.2 22.11,24.86 ; 41.5,132.39 41.5,131.78 ; v1(69.3,19.85) 69.28,19.88 U29.8 ; 27.06,19.84 26.28,19.05 23,19.05 ; 19.35,93.25 20.75,93.25 ; U2.P9 45.6,119.8 ; U15.11 49.7,132.8 C149.2 56.9,132 ; 23.5,19.05 23.5,21.3 ; 23,19.05 23,21.3 ; U2.M1 v1(56,118.2) ; U3.P9 v1(32,119.8)
  Top w0.4: 40.51,50.99 40.52,51 ; J5.11 77.6,101.2 77.4,101 76.2,101 ; 45.01,88.19 v1(45.01,88.21) 45.01,88.21 U1.M13 ; 27.31,50.25 U4.11 U4.24 34.41,50.25 ; 85.8,101 84.95,101 84.8,101.15 J5.20 ; v1(29.6,38.4) 29.6,38.16 29.35,37.91 U6.4 ; v1(25.4,16.6) 24.88,16.07 U21.4 23.42,16.07 v1(22.9,16.6) ; 50.7,67.2 50.7,63.6 ; v1(54.29,90.19) 54.29,90.2 U1.AB15 ; C250.2 29.3,30.47 ; U1.R10 v1(47.4,86.6) U1.P11 U1.R12 ; 50.7,67.4 75.5,67.4 75.5,55.7 50.9,55.7 50.7,55.9 50.7,63.4 C168.2 ; 77.2,111.55 J5.10 77.2,109.2 77.5,108.9 77.95,108.9 77.95,109.05 78,109.1 J5.9 ; v1(54,81.4) U1.AB4 ; J5.1 84.4,109.3 v1(84.15,109.05) ; U1.Y5 v1(51.4,81.8) ; C233.2 18.38,30.47 ; 19.8,38.57 19.79,38.56 ; 33,39.31 U6.11 U6.24 25.9,39.31 ; J5.17 82.4,101.2 81.7,100.5 J5.CAGE 80.6,100.5 80,101.1 J5.14 ; U1.A18 v1(36,92.6)
  Top w0.5: v1(22.8,113.5) 22.77,113.53 C124.2 21,113.53 ; 16.15,113.55 v1(16.15,114.25) ; 13.75,113.53 v1(13.75,114.25) ; 18.65,113.53 v1(18.65,114.25)
  Top w0.6: 32.4,43.75 31.08,43.75 C163.2 ; 25.2,16.6 v1(22.9,16.6) ; 16.64,26.69 16.64,26.93 ; 16.64,26.69 15.4,25.45 15.4,21.35 16.55,20.2 ; 16.64,26.69 17.1,26.69 ; U7.9 28.03,27.08 26.59,25.65 ; U7.9 28.03,27.12 C256.2 ; U7.9 26.93,28.1 ; v1(24.84,16.6) 24.84,16.6 ; C238.2 18.75,25.75 17.81,26.69 17.1,26.69 ; 17.1,26.69 17.1,28.57 U34.7 12.33,28.57 12.3,28.6 ; U7.7 27.39,28.56 ; 29.63,45.94 27.75,45.94
  Top w0.7: 26.59,25.65 26.55,25.65 26.3,25.4 26.3,21.32 27.42,20.2 ; 75.95,44.28 75.95,44.94 76.45,45.44 79.79,45.44 79.9,45.55 ; 79.9,45.55 79.9,38.5 79.06,37.66 C282.2 C283.2 ; 79.9,45.55 79.9,47.9 79.1,48.7 C285.2
  Top w0.9: 25.9,39.31 18.5,39.31 ; 27.31,50.25 19.15,50.25 19.1,50.2 ; 33.02,39.29 41.29,39.29 ; 34.41,50.25 41.81,50.25
  Top w1: 91.1,139.15 91.1,0.7
  In1.Cu w0.127: v1(51.4,94.6) 50.96,94.16 50.16,94.16 v1(49.8,93.8) ; v1(44.2,94.6) 44.26,94.6 44.62,94.24 ; v1(44.2,94.6) 46,96.4 v1(46.2,96.4) 46.2,94.2 v1(47.41,92.99) ; v1(44.2,94.6) 42.85,95.95 42.85,95.97 ; v1(44.2,94.6) 43.84,94.24 43.84,93.36 v1(44.2,93) 43.74,92.54 43.28,92.54 42.98,92.24 42.98,92.06 42.72,91.8 v1(42.2,91.8) 42.2,93.92 41.91,94.21 41.39,94.21 v1(41,94.6) ; v1(49.8,93.8) 48.22,93.8 v1(47.41,92.99) ; v1(49.8,93.8) 50.16,93.44 50.16,92.64 v1(50.6,92.2) 51.04,91.76 51.04,91.25 52.09,90.19 v1(54.29,90.19) 53.46,89.36 50.96,89.36 v1(50.6,89) ; v1(47.41,92.99) 47.76,92.64 47.76,90.47 ; v1(38.6,93.8) 39.04,94.24 40.64,94.24 v1(41,94.6) ; 47.76,90.47 47.76,89.44 v1(48.2,89) ; 47.76,90.47 47.9,90.6 v1(48.2,90.6) ; v1(38.2,96.3) 39.3,96.3 v1(41,94.6) ; 41.31,96.65 41.31,94.91 v1(41,94.6)